# Altium PCB clean_unrouted.PcbDoc (continued)
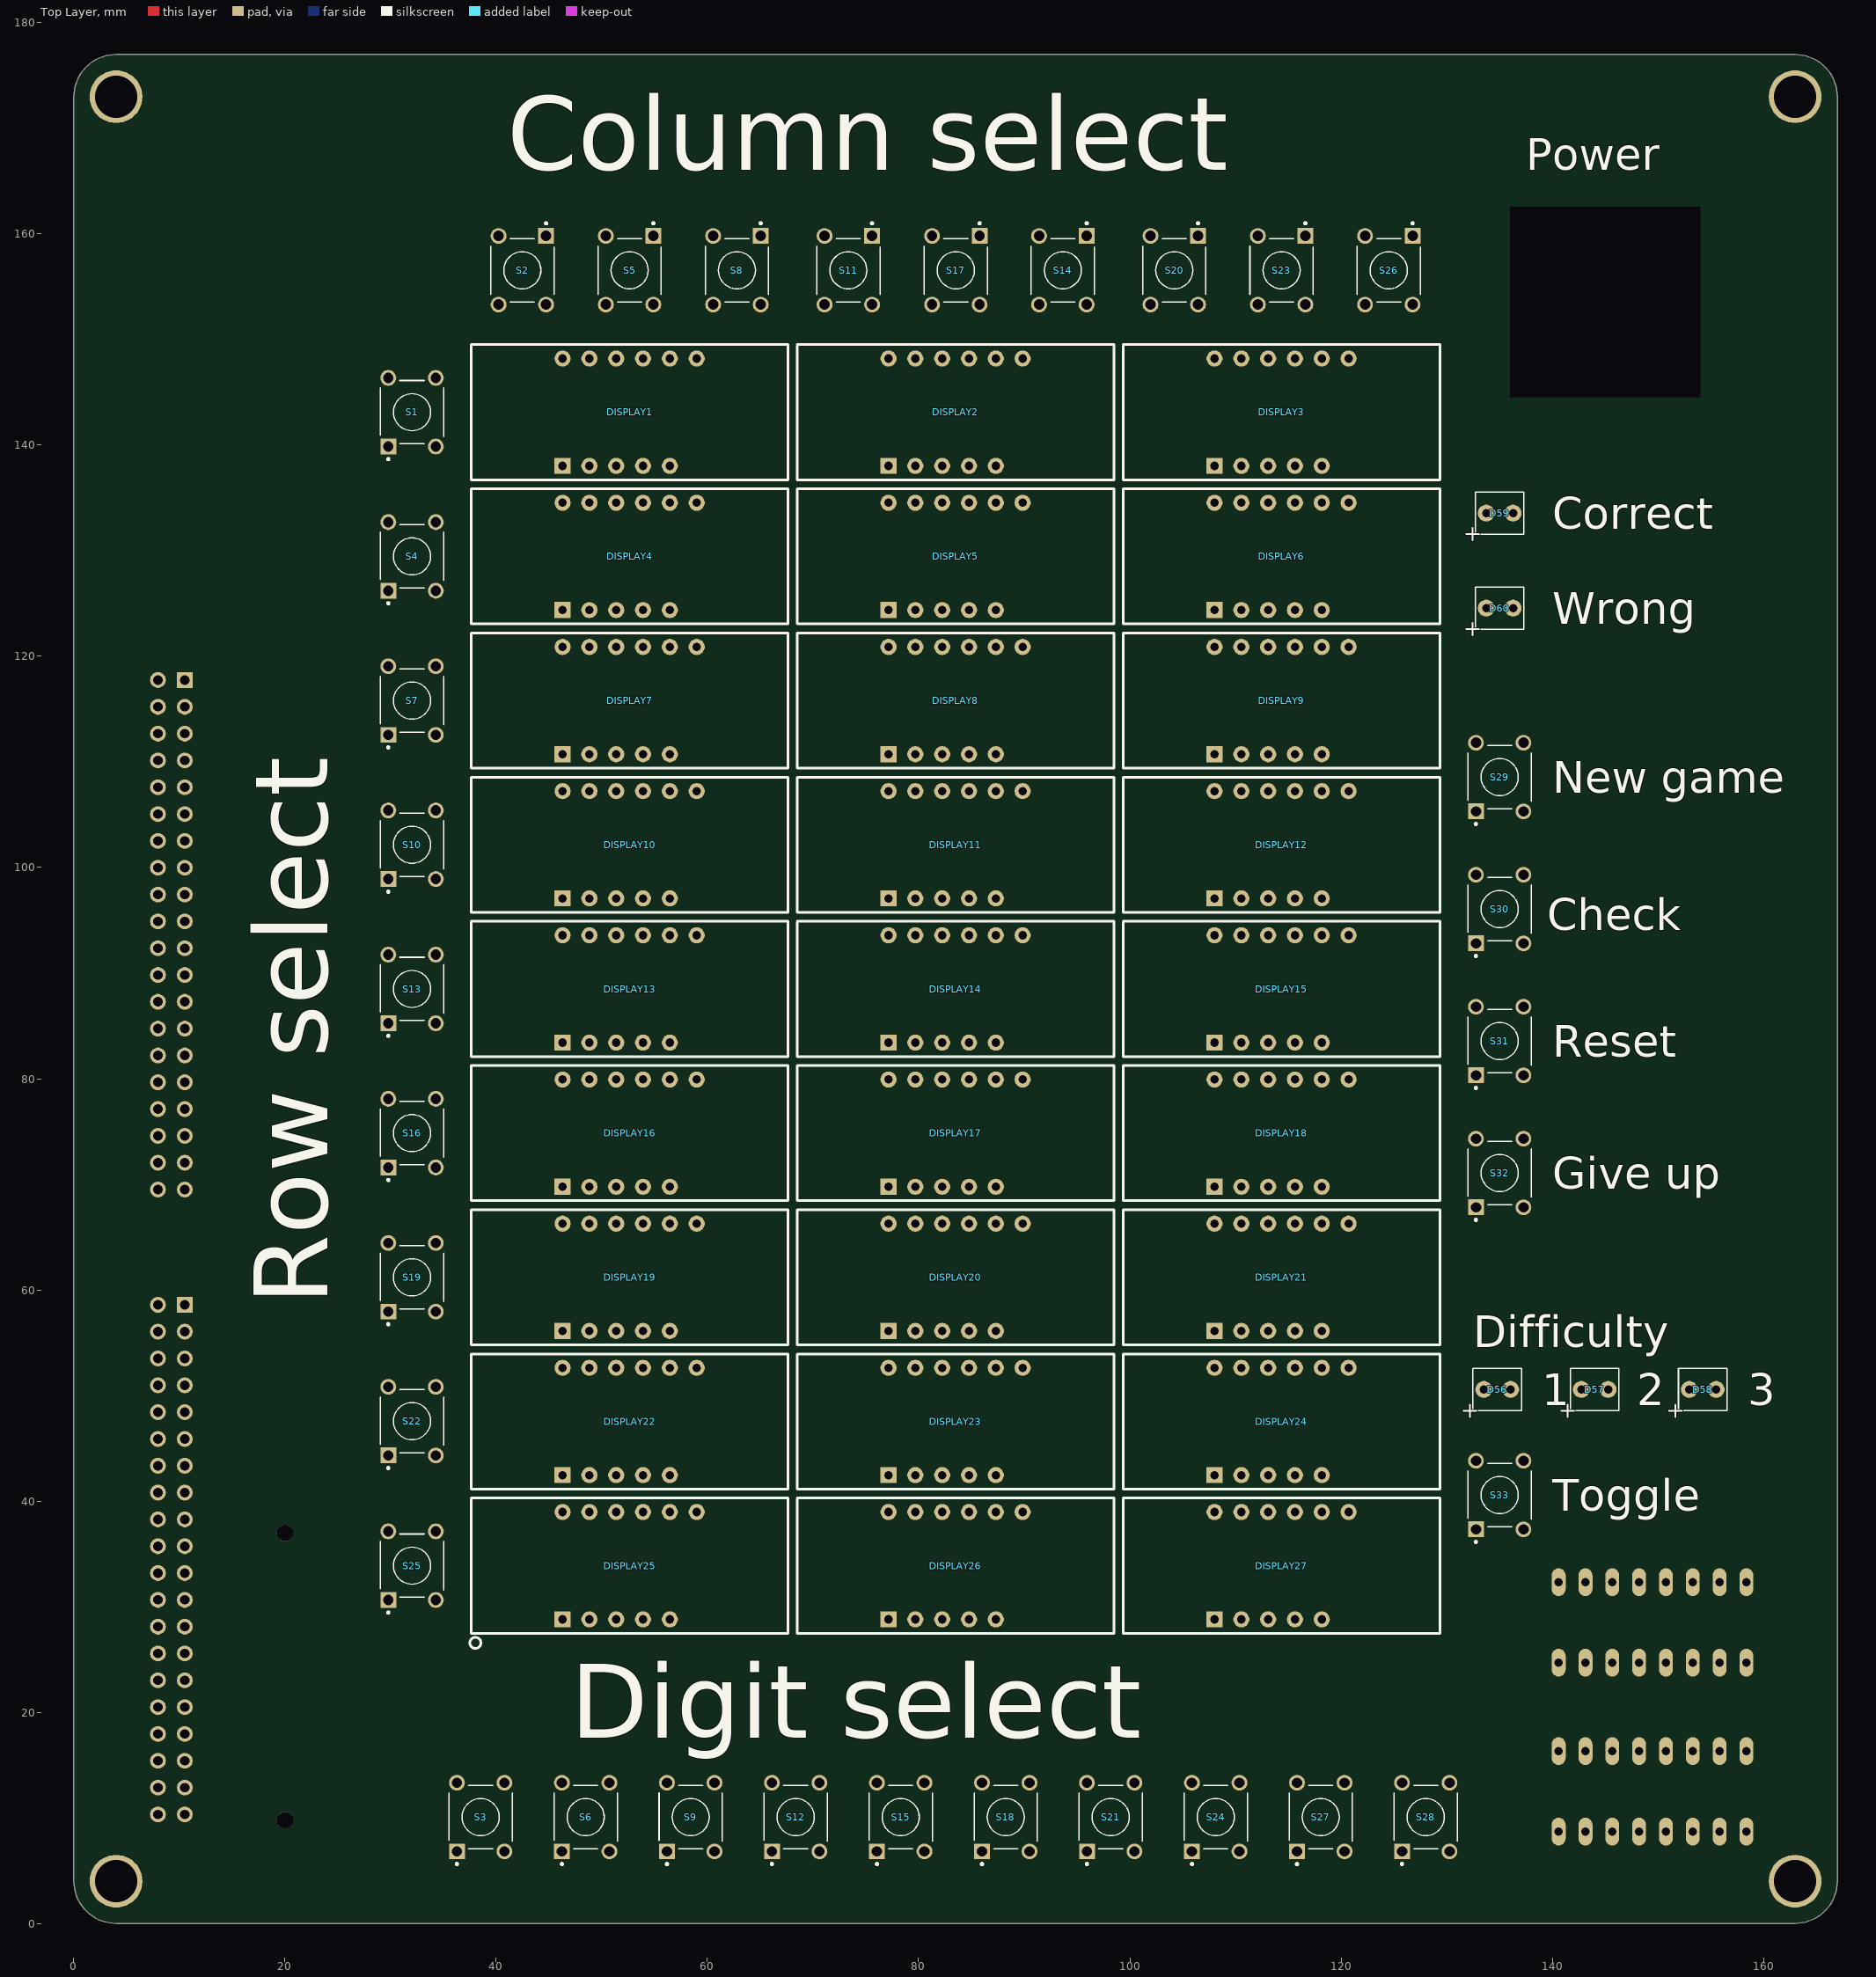
[diagram p0: Top Layer view]
## Components (designator, comment, footprint, x,y, rotation, side; value= is the part's Value field where it differs from the comment) (continued)
DISPLAY20 "3DIGITREDCC" PCBCOMPONENT_1 83.5,61.189 r0 top locked
DISPLAY21 "3DIGITREDCC" PCBCOMPONENT_1 114.37,61.189 r0 top locked
DISPLAY22 "3DIGITREDCC" PCBCOMPONENT_1 52.63,47.533 r0 top locked
DISPLAY23 "3DIGITREDCC" PCBCOMPONENT_1 83.5,47.533 r0 top locked
DISPLAY24 "3DIGITREDCC" PCBCOMPONENT_1 114.37,47.533 r0 top locked
DISPLAY25 "3DIGITREDCC" PCBCOMPONENT_1 52.63,33.877 r0 top locked
DISPLAY26 "3DIGITREDCC" PCBCOMPONENT_1 83.5,33.877 r0 top locked
DISPLAY27 "3DIGITREDCC" PCBCOMPONENT_1 114.37,33.877 r0 top locked
J1 "Header 20X2 J5" 2x20 10.5,58.58 r270 bottom locked
J2 "Header 20X2 J4" 2x20 10.5,117.76 r270 bottom locked
J3 "MEC6-140-02-L-D-RA1-TR" SAMTEC_MEC6-140-02-L-D-RA1-TR 20,23.383 r270 bottom locked
R1 "Res1" SMD-0805-RES 144.42,93.594 r180 bottom locked value=220
R2 "Res1" SMD-0805-RES 144.42,88.141 r180 bottom locked value=220
R3 "Res1" SMD-0805-RES 157.98,82.688 r180 bottom locked value=220
R4 "Res1" SMD-0805-RES 139.9,93.594 r180 bottom locked value=220
R5 "Res1" SMD-0805-RES 157.98,77.235 r180 bottom locked value=220
R6 "Res1" SMD-0805-RES 139.9,88.141 r180 bottom locked value=220
R7 "Res1" SMD-0805-RES 157.98,71.781 r180 bottom locked value=220
R8 "Res1" SMD-0805-RES 153.46,82.688 r180 bottom locked value=220
R9 "Res1" SMD-0805-RES 144.42,82.688 r180 bottom locked value=220
R10 "Res1" SMD-0805-RES 153.46,77.235 r180 bottom locked value=220
R11 "Res1" SMD-0805-RES 144.42,77.235 r180 bottom locked value=220
R12 "Res1" SMD-0805-RES 153.46,71.781 r180 bottom locked value=220
R13 "Res1" SMD-0805-RES 144.42,71.781 r180 bottom locked value=220
R14 "Res1" SMD-0805-RES 139.9,82.688 r180 bottom locked value=220
R15 "Res1" SMD-0805-RES 139.9,77.235 r180 bottom locked value=220
R16 "Res1" SMD-0805-RES 148.94,93.594 r180 bottom locked value=220
R17 "Res1" SMD-0805-RES 139.9,71.781 r180 bottom locked value=220
R18 "Res1" SMD-0805-RES 148.94,88.141 r180 bottom locked value=220
R19 "Res1" SMD-0805-RES 162.5,82.688 r180 bottom locked value=220
R20 "Res1" SMD-0805-RES 162.5,77.235 r180 bottom locked value=220
R21 "Res1" SMD-0805-RES 162.5,71.781 r180 bottom locked value=220
R22 "Res1" SMD-0805-RES 148.94,82.688 r180 bottom locked value=220
R23 "Res1" SMD-0805-RES 148.94,77.235 r180 bottom locked value=220
R24 "Res1" SMD-0805-RES 148.94,71.781 r180 bottom locked value=220
R25 "Res1" SMD-0805-RES 153.46,104.5 r180 bottom locked value=220
R26 "Res1" SMD-0805-RES 139.9,115.406 r180 bottom locked value=220
R27 "Res1" SMD-0805-RES 139.9,109.953 r180 bottom locked value=220
R28 "Res1" SMD-0805-RES 139.9,104.5 r180 bottom locked value=220
R29 "Res1" SMD-0805-RES 153.46,99.047 r180 bottom locked value=220
R30 "Res1" SMD-0805-RES 153.46,109.953 r180 bottom locked value=220
R31 "Res1" SMD-0805-RES 153.46,93.594 r180 bottom locked value=220
R32 "Res1" SMD-0805-RES 153.46,115.406 r180 bottom locked value=220
R33 "Res1" SMD-0805-RES 153.46,88.141 r180 bottom locked value=220
R34 "Res1" SMD-0805-RES 139.9,120.859 r180 bottom locked value=220
R35 "Res1" SMD-0805-RES 139.9,99.047 r180 bottom locked value=220
R36 "Res1" SMD-0805-RES 139.9,126.312 r180 bottom locked value=220
R37 "Res1" SMD-0805-RES 139.9,131.765 r180 bottom locked value=220
R38 "Res1" SMD-0805-RES 157.98,104.5 r180 bottom locked value=220
R39 "Res1" SMD-0805-RES 153.46,120.859 r180 bottom locked value=220
R40 "Res1" SMD-0805-RES 144.42,115.406 r180 bottom locked value=220
R41 "Res1" SMD-0805-RES 153.46,126.312 r180 bottom locked value=220
R42 "Res1" SMD-0805-RES 144.42,109.953 r180 bottom locked value=220
R43 "Res1" SMD-0805-RES 153.46,131.765 r180 bottom locked value=220
R44 "Res1" SMD-0805-RES 144.42,104.5 r180 bottom locked value=220
R45 "Res1" SMD-0805-RES 157.98,99.047 r180 bottom locked value=220
R46 "Res1" SMD-0805-RES 157.98,131.765 r180 bottom locked value=220
R47 "Res1" SMD-0805-RES 157.98,93.594 r180 bottom locked value=220
R48 "Res1" SMD-0805-RES 157.98,126.312 r180 bottom locked value=220
R49 "Res1" SMD-0805-RES 157.98,88.141 r180 bottom locked value=220
R50 "Res1" SMD-0805-RES 157.98,120.859 r180 bottom locked value=220
R51 "Res1" SMD-0805-RES 144.42,99.047 r180 bottom locked value=220
R52 "Res1" SMD-0805-RES 144.42,131.765 r180 bottom locked value=220
R53 "Res1" SMD-0805-RES 144.42,126.312 r180 bottom locked value=220
R54 "Res1" SMD-0805-RES 162.5,104.5 r180 bottom locked value=220
R55 "Res1" SMD-0805-RES 144.42,120.859 r180 bottom locked value=220
R56 "Res1" SMD-0805-RES 148.94,115.406 r180 bottom locked value=220
R57 "Res1" SMD-0805-RES 157.98,115.406 r180 bottom locked value=220
R58 "Res1" SMD-0805-RES 148.94,109.953 r180 bottom locked value=220
R59 "Res1" SMD-0805-RES 157.98,109.953 r180 bottom locked value=220
R60 "Res1" SMD-0805-RES 148.94,104.5 r180 bottom locked value=220
R61 "Res1" SMD-0805-RES 162.5,99.047 r180 bottom locked value=220
R62 "Res1" SMD-0805-RES 162.5,131.765 r180 bottom locked value=220
R63 "Res1" SMD-0805-RES 162.5,93.594 r180 bottom locked value=220
R64 "Res1" SMD-0805-RES 162.5,126.312 r180 bottom locked value=220
R65 "Res1" SMD-0805-RES 162.5,88.141 r180 bottom locked value=220
R66 "Res1" SMD-0805-RES 162.5,120.859 r180 bottom locked value=220
R67 "Res1" SMD-0805-RES 148.94,99.047 r180 bottom locked value=220
R68 "Res1" SMD-0805-RES 148.94,131.765 r180 bottom locked value=220
R69 "Res1" SMD-0805-RES 148.94,126.312 r180 bottom locked value=220
R70 "Res1" SMD-0805-RES 148.94,120.859 r180 bottom locked value=220
R71 "Res1" SMD-0805-RES 162.5,115.406 r180 bottom locked value=220
R72 "Res1" SMD-0805-RES 162.5,109.953 r180 bottom locked value=220
R73 "Res1" SMD-0805-RES 133.599,62 r0 bottom locked value=220
R74 "Res1" SMD-0805-RES 138.349,62 r0 bottom locked value=220
R75 "Res1" SMD-0805-RES 143.1,62 r0 bottom locked value=220
R76 "Res1" SMD-0805-RES 147.85,62 r0 bottom locked value=220
R77 "Res1" SMD-0805-RES 152.6,62 r0 bottom locked value=220
S1 "ROW0" SW_1825910-6-4 32.025,143.123 r90 top locked
S2 "COL0" SW_1825910-6-4 42.47,156.567 r270 top locked
S3 "DIG0" SW_1825910-6-4 38.525,10.067 r90 top locked
S4 "ROW1" SW_1825910-6-4 32.025,129.467 r90 top locked
S5 "COL1" SW_1825910-6-4 52.63,156.567 r270 top locked
S6 "DIG1" SW_1825910-6-4 48.469,10.067 r90 top locked
S7 "ROW2" SW_1825910-6-4 32.025,115.811 r90 top locked
S8 "COL2" SW_1825910-6-4 62.79,156.567 r270 top locked
S9 "DIG2" SW_1825910-6-4 58.414,10.067 r90 top locked
S10 "ROW3" SW_1825910-6-4 32.025,102.156 r90 top locked
S11 "COL3" SW_1825910-6-4 73.34,156.567 r270 top locked
S12 "DIG3" SW_1825910-6-4 68.358,10.067 r90 top locked
S13 "ROW4" SW_1825910-6-4 32.025,88.5 r90 top locked
S14 "COL4" SW_1825910-6-4 93.66,156.567 r270 top locked
S15 "DIG4" SW_1825910-6-4 78.303,10.067 r90 top locked
S16 "ROW5" SW_1825910-6-4 32.025,74.844 r90 top locked
S17 "COL5" SW_1825910-6-4 83.525,156.567 r270 top locked
S18 "DIG5" SW_1825910-6-4 88.247,10.067 r90 top locked
S19 "ROW6" SW_1825910-6-4 32.025,61.189 r90 top locked
S20 "COL6" SW_1825910-6-4 104.21,156.567 r270 top locked
S21 "DIG6" SW_1825910-6-4 98.192,10.067 r90 top locked
S22 "ROW7" SW_1825910-6-4 32.025,47.567 r90 top locked
S23 "COL7" SW_1825910-6-4 114.37,156.567 r270 top locked
S24 "DIG7" SW_1825910-6-4 108.136,10.067 r90 top locked
S25 "ROW8" SW_1825910-6-4 32.025,33.877 r90 top locked
S26 "COL8" SW_1825910-6-4 124.525,156.567 r270 top locked
S27 "DIG8" SW_1825910-6-4 118.08,10.067 r90 top locked
S28 "DIG9" SW_1825910-6-4 128.025,10.067 r90 top locked
S29 "NEWGAME" SW_1825910-6-4 135.025,108.567 r90 top locked
S30 "CHECKANS" SW_1825910-6-4 135.025,96.067 r90 top locked
S31 "RSTGAME" SW_1825910-6-4 135.025,83.567 r90 top locked
S32 "GIVEUP" SW_1825910-6-4 135.025,71.067 r90 top locked
S33 "DIFFSET" SW_1825910-6-4 135.025,40.567 r90 top locked
U1 "ULN2003A" DIL16 149.5,12.5 r180 bottom locked
U2 "ULN2003A" DIL16 149.5,28.5 r180 bottom locked

## Footprints (in the part's own frame and the unit in brackets; to place one, negate y for a bottom-side part, rotate by r counter-clockwise, add the part's x,y. Pads: shape width x height; smd on the part's side, far side on the other; paste and mask are expansions set on the pad)
2x20 [mm] "Connector; Header; 20x2 Position"
  rect 1.5x1.5 hole 0.9: 1(0,0)
  round 1.5 hole 0.9: 2(0,2.54) 3(2.54,0) 4(2.54,2.54) 5(5.08,0) 6(5.08,2.54) 7(7.62,0) 8(7.62,2.54) 9(10.16,0) 10(10.16,2.54) 11(12.7,0) 12(12.7,2.54) 13(15.24,0) 14(15.24,2.54) 15(17.78,0) 16(17.78,2.54) 17(20.32,0) 18(20.32,2.54) 19(22.86,0) 20(22.86,2.54) 21(25.4,0) 22(25.4,2.54) 23(27.94,0) 24(27.94,2.54) 25(30.48,0) 26(30.48,2.54) 27(33.02,0) 28(33.02,2.54) 29(35.56,0) 30(35.56,2.54) 31(38.1,0) 32(38.1,2.54) 33(40.64,0) 34(40.64,2.54) 35(43.18,0) 36(43.18,2.54) 37(45.72,0) 38(45.72,2.54) 39(48.26,0) 40(48.26,2.54)
  silkscreen extent -1.27,-1.27 49.53,3.81, body extent -1.4,-1.23 49.7,3.77, height 8.5
DIL16 [mil]
  oval 52x104 hole 32: 1(-350,-150) 2(-250,-150) 3(-150,-150) 4(-50,-150) 5(50,-150) 6(150,-150) 7(250,-150) 8(350,-150) 9(350,150) 10(250,150) 11(150,150) 12(50,150) 13(-50,150) 14(-150,150) 15(-250,150) 16(-350,150)
  silkscreen extent -400,-115 400,115, body extent -400,-209 403,204, height 317
DIODE_SMC [mm] "Diode; 2 Leads"
  rect 1.4x1.57 smd: 1(1.6,-0.2) 2(-2.2,-0.2)
  silkscreen extent -3.4,-1.6 2.8,1.2, body extent -2.95,-1.75 2.35,1.36, height 2.4
green [mm] "LED; 2 Leads"
  round 1.6 hole 0.8: 1(0,1.27) 2(0,-1.27)
  silkscreen extent -2,-2.3 2,2.3, body extent -1.49,-1.95 2,2.03, height 5.38
PCBCOMPONENT_1 [mil]
  rect 60x60 hole 31.5: 1(-250.03,-200)
  round 60 hole 31.5: 2(-150.03,-200) 3(-50.03,-200) 4(49.97,-200) 5(149.97,-200) 7(249.97,200) 8(149.97,200) 9(49.97,200) 10(-50.03,200) 11(-150.03,200) 12(-250.03,200)
  silkscreen extent -591,-252 591,252, body extent -591,-252 591,252, height 276
RED [mm] "LED; 2 Leads"
  round 1.6 hole 0.8: 1(0,1.27) 2(0,-1.27)
  silkscreen extent -2,-2.3 2,2.3, body extent -1.49,-1.95 2,2.03, height 5.38
SAMTEC_MEC6-140-02-L-D-RA1-TR [mm]
  rect 0.4x2 smd: 01(-12.382,-4) 02(-12.382,4) 03(-11.747,-4) 04(-11.747,4) 05(-11.112,-4) 06(-11.112,4) 07(-10.477,-4) 08(-10.477,4) 09(-9.842,-4) 10(-9.842,4) 11(-9.207,-4) 12(-9.207,4) 13(-8.572,-4) 14(-8.572,4) 15(-7.937,-4) 16(-7.937,4) 17(-7.302,-4) 18(-7.302,4) 19(-6.667,-4) 20(-6.667,4) 21(-6.032,-4) 22(-6.032,4) 23(-5.397,-4) 24(-5.397,4) 25(-4.762,-4) 26(-4.762,4) 27(-4.127,-4) 28(-4.127,4) 29(-3.492,-4) 30(-3.492,4) 31(-2.857,-4) 32(-2.857,4) 33(-2.223,-4) 34(-2.222,4) 35(-1.588,-4) 36(-1.587,4) 37(-0.953,-4) 38(-0.952,4) 39(-0.318,-4) 40(-0.317,4) 41(0.317,-4) 42(0.318,4) 43(0.952,-4) 44(0.953,4) 45(1.587,-4) 46(1.588,4) 47(2.222,-4) 48(2.223,4) 49(2.857,-4) 50(2.858,4) 51(3.492,-4) 52(3.493,4) 53(4.127,-4) 54(4.128,4) 55(4.762,-4) 56(4.763,4) 57(5.397,-4) 58(5.398,4) 59(6.032,-4) 60(6.033,4) 61(6.667,-4) 62(6.668,4) 63(7.302,-4) 64(7.303,4) 65(7.937,-4) 66(7.938,4) 67(8.572,-4) 68(8.573,4) 69(9.207,-4) 70(9.208,4) 71(9.842,-4) 72(9.843,4) 73(10.477,-4) 74(10.478,4) 75(11.112,-4) 76(11.113,4) 77(11.747,-4) 78(11.748,4) 79(12.383,-4) 80(12.383,4)
  round 1.55 hole 1.55 unplated: ""(-13.593,0) ""(13.593,0)
  silkscreen extent -14.29,-5.7 14.29,3.7, body extent -14.21,-4.53 14.35,4.57, height 5.75
SMD-0805-RES [mil]
  rect 60x40 smd: 1(0,40) 2(0,-40)
  silkscreen extent -35,-65 35,65, body extent -24,-39 26,39, height 31
SW_1825910-6-4 [mm]
  rect 1.498x1.498 hole 0.99: 1(-3.25,2.25)
  round 1.498 hole 0.99: 2(3.25,2.25) 3(-3.25,-2.25) 4(3.25,-2.25)
  silkscreen extent -4.54,-3 3,3, body extent -3.84,-3 3.84,3, height 9.5

## Part data
D1 D2 D3 D4 D5 D6 D7 D8 D9 D10 D11 D12 D13 D14 D15 D16 D17 D18 D19 D20 D21 D22 D23 D24 D25 D26 D27 D28 D29 D30 D31 D32 D33 D34 D35 D36 D37 D38 D39 D40 D41 D42 D43 D44 D45 D46 D47 D48 D49 D50 D51 D52 D53 D54 D55: "1 Amp General Purpose Rectifier", Code_JEDEC=DO-204-AL, ComponentLink1Description="Manufacturer Link", ComponentLink1URL=http://www.fairchildsemi.com/, ComponentLink2Description=Datasheet, ComponentLink2URL=http://www.fairchildsemi.com/ds/1N%2F1N4001.pdf, DatasheetVersion=1998, LatestRevisionDate=17-Jul-2002, LatestRevisionNote="Re-released for DXP Platform.", PackageDescription="Diode, Axial; Body 5.2 x 2.7 mm (LxDia. max), Lead Dia. 0.86 mm (max)", PackageReference=DO-41, PackageVersion=Aug-1999, Published=8-Jun-2000, Publisher="Altium Limited"
D56 D57 D58 D59 D60: "Typical RED GaAs LED", LatestRevisionDate=08-Jul-2005, LatestRevisionNote="Mech Layer 1 removed.", PackageDescription="LED; 2 Leads", PackageReference=LED-1, Published=8-Jun-2000, Publisher="Altium Limited"
DISPLAY1 DISPLAY2 DISPLAY3 DISPLAY4 DISPLAY5 DISPLAY6 DISPLAY7 DISPLAY8 DISPLAY9 DISPLAY10 DISPLAY11 DISPLAY12 DISPLAY13 DISPLAY14 DISPLAY15 DISPLAY16 DISPLAY17 DISPLAY18 DISPLAY19 DISPLAY20 DISPLAY21 DISPLAY22 DISPLAY23 DISPLAY24 DISPLAY25 DISPLAY26 DISPLAY27: "7.62 mm Black Surface HER 7-Segment Display: CC, RH DP", Colour="High Efficiency Red (HER)", ComponentLink1Description="Manufacturer Link", ComponentLink1URL=http://www.agilent.com/, DatasheetVersion=19-Feb-2002, LatestRevisionDate=17-Dec-2003, LatestRevisionNote="Schematic revised, PCB Footprint replaced.", MinimumIntensity="360 ucd", Note="Pins 1 and 6 are redundant Cathodes.", PackageDescription="LED, 7-Segment Display, 7.62 mm, RHD; 10 Leads; Row Space 5.08 mm; Pitch 2.54 mm", PackageReference=A, PackageVersion=11-Feb-2002, Published=8-Jun-2000, Publisher="Altium Limited"
J1 J2: "Header, 20-Pin, Dual row", LatestRevisionDate=17-Jul-2002, LatestRevisionNote="Re-released for DXP Platform.", Publisher="Altium Limited"
J3: Package=None, Availability=Unavailable, MF=Samtec, MP=MEC6-140-02-L-D-RA1-TR, Price=None
R1 R2 R3 R4 R5 R6 R7 R8 R9 R10 R11 R12 R13 R14 R15 R16 R17 R18 R19 R20 R21 R22 R23 R24 R25 R26 R27 R28 R29 R30 R31 R32 R33 R34 R35 R36 R37 R38 R39 R40 R41 R42 R43 R44 R45 R46 R47 R48 R49 R50 R51 R52 R53 R54 R55 R56 R57 R58 R59 R60 R61 R62 R63 R64 R65 R66 R67 R68 R69 R70 R71 R72 R73 R74 R75 R76 R77: "Resistor", LatestRevisionDate=17-Jul-2002, LatestRevisionNote="Re-released for DXP Platform.", PackageDescription="Axial Device, Thru-Hole; 2 Leads; 0.3 in Pin Spacing", PackageReference=AXIAL-0.3, Published=8-Jun-2000, Publisher="Altium Limited"
S1 S2 S3 S4 S5 S6 S7 S8 S9 S10 S11 S12 S13 S14 S15 S16 S17 S18 S19 S20 S21 S22 S23 S24 S25 S26 S27 S28 S29 S30 S31 S32 S33: library part SW-PB, "Switch", LatestRevisionDate=17-Jul-2002, LatestRevisionNote="Re-released for DXP Platform.", PackageDescription="Switch; 2 Leads", PackageReference=SPST-2, Published=24-Mar-1999, Publisher="Altium Limited"

## Free pads (board coordinates)
  round 5 hole 4: 21(163,4) 22(163,173) 23(4,173) 24(4,4)
  rect 12x18 hole 18 square: ROCKER(145.025,153.567)

## Nets (pads, with @x,y where several pads share a name; then routed paths per layer and width w, separated by ;. In a path a pad name is that pad's centre, name@x,y a point inside that pad or via, vN(x,y) a via of type N, cw(c..) or ccw(c..) an arc to the next point about the centre after c; other vN are vias at no path point)
/LEDCOL0: DISPLAY1.12 DISPLAY4.12 DISPLAY7.12 DISPLAY10.12 DISPLAY13.12 DISPLAY16.12 DISPLAY19.12 DISPLAY22.12 DISPLAY25.12 U1.16
/LEDCOL1: DISPLAY1.9 DISPLAY4.9 DISPLAY7.9 DISPLAY10.9 DISPLAY13.9 DISPLAY16.9 DISPLAY19.9 DISPLAY22.9 DISPLAY25.9 U1.15
/LEDCOL2: DISPLAY1.8 DISPLAY4.8 DISPLAY7.8 DISPLAY10.8 DISPLAY13.8 DISPLAY16.8 DISPLAY19.8 DISPLAY22.8 DISPLAY25.8 U1.14
/LEDCOL3: DISPLAY2.12 DISPLAY5.12 DISPLAY8.12 DISPLAY11.12 DISPLAY14.12 DISPLAY17.12 DISPLAY20.12 DISPLAY23.12 DISPLAY26.12 U1.13
/LEDCOL4: DISPLAY2.9 DISPLAY5.9 DISPLAY8.9 DISPLAY11.9 DISPLAY14.9 DISPLAY17.9 DISPLAY20.9 DISPLAY23.9 DISPLAY26.9 U1.12
/LEDCOL5: DISPLAY2.8 DISPLAY5.8 DISPLAY8.8 DISPLAY11.8 DISPLAY14.8 DISPLAY17.8 DISPLAY20.8 DISPLAY23.8 DISPLAY26.8 U1.11
/LEDCOL6: DISPLAY3.12 DISPLAY6.12 DISPLAY9.12 DISPLAY12.12 DISPLAY15.12 DISPLAY18.12 DISPLAY21.12 DISPLAY24.12 DISPLAY27.12 U1.10
/LEDCOL7: DISPLAY3.9 DISPLAY6.9 DISPLAY9.9 DISPLAY12.9 DISPLAY15.9 DISPLAY18.9 DISPLAY21.9 DISPLAY24.9 DISPLAY27.9 U2.16
/LEDCOL8: DISPLAY3.8 DISPLAY6.8 DISPLAY9.8 DISPLAY12.8 DISPLAY15.8 DISPLAY18.8 DISPLAY21.8 DISPLAY24.8 DISPLAY27.8 U2.15
CHECKANS: J1.33 S30.1
COLON: D2.1 D8.1 D14.1 D20.1 D26.1 D32.1 D38.1 D44.1 D50.1 J1.25
CORRECT: D59.1 J1.28
DIFFEASY: D56.1 J1.22
DIFFHARD: D58.1 J1.26
DIFFMED: D57.1 J1.24
DIFFSET: J1.39 S33.1
GIVEUP: J1.37 S32.1
GND: J1.12 J1.30 J2.7 J2.8 J2.9 J2.10 J2.17 J2.18 J2.25 J2.26 J2.33 J2.34 J3.10 J3.21 J3.22 J3.32 J3.33 J3.44 J3.53 J3.54 J3.76 pad.21 pad.22 pad.23 pad.24 R73.2 R74.2 R75.2 R76.2 R77.2 S1.3 S4.3 S7.3 S10.3 S13.3 S16.3 S19.3 S22.3 S25.3 S29.3 S30.3 S31.3 S32.3 S33.3 U1.8 U2.8
KEY0: D4.1 D5.1 D6.1 J1.1
KEY1: D10.1 D11.1 D12.1 J1.3
KEY2: D16.1 D17.1 D18.1 J1.5
KEY3: D22.1 D23.1 D24.1 J1.7
KEY4: D28.1 D29.1 D30.1 J1.9
KEY5: D34.1 D35.1 D36.1 J1.13
KEY6: D40.1 D41.1 D42.1 J1.15
KEY7: D46.1 D47.1 D48.1 J1.17
KEY8: D52.1 D53.1 D54.1 J1.19
KEY9: D3.1 D9.1 D15.1 D21.1 D27.1 D33.1 D39.1 D45.1 D51.1 D55.1 D55.2 J1.21 J1.27 S28.1
LEDAROW0: DISPLAY1.11 DISPLAY2.11 DISPLAY3.11 R30.1
LEDAROW1: DISPLAY4.11 DISPLAY5.11 DISPLAY6.11 R46.1
LEDAROW2: DISPLAY7.11 DISPLAY8.11 DISPLAY9.11 R62.1
LEDAROW3: DISPLAY10.11 DISPLAY11.11 DISPLAY12.11 R25.2
LEDAROW4: DISPLAY13.11 DISPLAY14.11 DISPLAY15.11 R38.2
LEDAROW5: DISPLAY16.11 DISPLAY17.11 DISPLAY18.11 R54.2
LEDAROW6: DISPLAY19.11 DISPLAY20.11 DISPLAY21.11 R4.1
LEDAROW7: DISPLAY22.11 DISPLAY23.11 DISPLAY24.11 R1.2
LEDAROW8: DISPLAY25.11 DISPLAY26.11 DISPLAY27.11 R16.2
LEDBROW0: DISPLAY1.7 DISPLAY2.7 DISPLAY3.7 R32.1
LEDBROW1: DISPLAY4.7 DISPLAY5.7 DISPLAY6.7 R48.1
LEDBROW2: DISPLAY7.7 DISPLAY8.7 DISPLAY9.7 R64.1
LEDBROW3: DISPLAY10.7 DISPLAY11.7 DISPLAY12.7 R26.2
LEDBROW4: DISPLAY13.7 DISPLAY14.7 DISPLAY15.7 R40.2
LEDBROW5: DISPLAY16.7 DISPLAY17.7 DISPLAY18.7 R56.2
LEDBROW6: DISPLAY19.7 DISPLAY20.7 DISPLAY21.7 R6.1
LEDBROW7: DISPLAY22.7 DISPLAY23.7 DISPLAY24.7 R2.2
LEDBROW8: DISPLAY25.7 DISPLAY26.7 DISPLAY27.7 R18.2
LEDCOL0: J1.2 U1.1
LEDCOL1: J1.4 U1.2
LEDCOL2: J1.6 U1.3
LEDCOL3: J1.8 U1.4
LEDCOL4: J1.10 U1.5
LEDCOL5: J1.14 U1.6
LEDCOL6: J1.16 U1.7
LEDCOL7: J1.18 U2.1
LEDCOL8: J1.20 U2.2
LEDCROW0: DISPLAY1.4 DISPLAY2.4 DISPLAY3.4 R34.1
LEDCROW1: DISPLAY4.4 DISPLAY5.4 DISPLAY6.4 R50.1
LEDCROW2: DISPLAY7.4 DISPLAY8.4 DISPLAY9.4 R66.1
LEDCROW3: DISPLAY10.4 DISPLAY11.4 DISPLAY12.4 R27.2
LEDCROW4: DISPLAY13.4 DISPLAY14.4 DISPLAY15.4 R42.2
LEDCROW5: DISPLAY16.4 DISPLAY17.4 DISPLAY18.4 R58.2
LEDCROW6: DISPLAY19.4 DISPLAY20.4 DISPLAY21.4 R8.1
LEDCROW7: DISPLAY22.4 DISPLAY23.4 DISPLAY24.4 R3.2
LEDCROW8: DISPLAY25.4 DISPLAY26.4 DISPLAY27.4 R19.2
LEDDPROW0: DISPLAY1.3 DISPLAY2.3 DISPLAY3.3 R43.1
LEDDPROW1: DISPLAY4.3 DISPLAY5.3 DISPLAY6.3 R59.1
LEDDPROW2: DISPLAY7.3 DISPLAY8.3 DISPLAY9.3 R72.1
LEDDPROW3: DISPLAY10.3 DISPLAY11.3 DISPLAY12.3 R35.2
LEDDPROW4: DISPLAY13.3 DISPLAY14.3 DISPLAY15.3 R51.2
LEDDPROW5: DISPLAY16.3 DISPLAY17.3 DISPLAY18.3 R67.2
LEDDPROW6: DISPLAY19.3 DISPLAY20.3 DISPLAY21.3 R17.1
LEDDPROW7: DISPLAY22.3 DISPLAY23.3 DISPLAY24.3 R13.2
LEDDPROW8: DISPLAY25.3 DISPLAY26.3 DISPLAY27.3 R24.2
LEDDROW0: DISPLAY1.2 DISPLAY2.2 DISPLAY3.2 R36.1
LEDDROW1: DISPLAY4.2 DISPLAY5.2 DISPLAY6.2 R52.1
LEDDROW2: DISPLAY7.2 DISPLAY8.2 DISPLAY9.2 R68.1
LEDDROW3: DISPLAY10.2 DISPLAY11.2 DISPLAY12.2 R28.2
LEDDROW4: DISPLAY13.2 DISPLAY14.2 DISPLAY15.2 R44.2
LEDDROW5: DISPLAY16.2 DISPLAY17.2 DISPLAY18.2 R60.2
LEDDROW6: DISPLAY19.2 DISPLAY20.2 DISPLAY21.2 R10.1
LEDDROW7: DISPLAY22.2 DISPLAY23.2 DISPLAY24.2 R5.2
LEDDROW8: DISPLAY25.2 DISPLAY26.2 DISPLAY27.2 R20.2
LEDEROW0: DISPLAY1.1 DISPLAY2.1 DISPLAY3.1 R37.1
LEDEROW1: DISPLAY4.1 DISPLAY5.1 DISPLAY6.1 R53.1
LEDEROW2: DISPLAY7.1 DISPLAY8.1 DISPLAY9.1 R69.1
LEDEROW3: DISPLAY10.1 DISPLAY11.1 DISPLAY12.1 R29.2
LEDEROW4: DISPLAY13.1 DISPLAY14.1 DISPLAY15.1 R45.2
LEDEROW5: DISPLAY16.1 DISPLAY17.1 DISPLAY18.1 R61.2
LEDEROW6: DISPLAY19.1 DISPLAY20.1 DISPLAY21.1 R12.1
LEDEROW7: DISPLAY22.1 DISPLAY23.1 DISPLAY24.1 R7.2
LEDEROW8: DISPLAY25.1 DISPLAY26.1 DISPLAY27.1 R21.2
LEDFROW0: DISPLAY1.10 DISPLAY2.10 DISPLAY3.10 R39.1
LEDFROW1: DISPLAY4.10 DISPLAY5.10 DISPLAY6.10 R55.1
LEDFROW2: DISPLAY7.10 DISPLAY8.10 DISPLAY9.10 R70.1
LEDFROW3: DISPLAY10.10 DISPLAY11.10 DISPLAY12.10 R31.2
LEDFROW4: DISPLAY13.10 DISPLAY14.10 DISPLAY15.10 R47.2
LEDFROW5: DISPLAY16.10 DISPLAY17.10 DISPLAY18.10 R63.2
LEDFROW6: DISPLAY19.10 DISPLAY20.10 DISPLAY21.10 R14.1
LEDFROW7: DISPLAY22.10 DISPLAY23.10 DISPLAY24.10 R9.2
LEDFROW8: DISPLAY25.10 DISPLAY26.10 DISPLAY27.10 R22.2
LEDGROW0: DISPLAY1.5 DISPLAY2.5 DISPLAY3.5 R41.1
LEDGROW1: DISPLAY4.5 DISPLAY5.5 DISPLAY6.5 R57.1
LEDGROW2: DISPLAY7.5 DISPLAY8.5 DISPLAY9.5 R71.1
LEDGROW3: DISPLAY10.5 DISPLAY11.5 DISPLAY12.5 R33.2
LEDGROW4: DISPLAY13.5 DISPLAY14.5 DISPLAY15.5 R49.2
LEDGROW5: DISPLAY16.5 DISPLAY17.5 DISPLAY18.5 R65.2
LEDGROW6: DISPLAY19.5 DISPLAY20.5 DISPLAY21.5 R15.1
LEDGROW7: DISPLAY22.5 DISPLAY23.5 DISPLAY24.5 R11.2
LEDGROW8: DISPLAY25.5 DISPLAY26.5 DISPLAY27.5 R23.2
NetD1_2: D1.2 D4.2 S1.1
NetD2_2: D2.2 D5.2 S2.1
NetD3_2: D3.2 D6.2 S3.1
NetD7_2: D7.2 D10.2 S4.1
NetD8_2: D8.2 D11.2 S5.1
NetD9_2: D9.2 D12.2 S6.1
NetD13_2: D13.2 D16.2 S7.1
NetD14_2: D14.2 D17.2 S8.1
NetD15_2: D15.2 D18.2 S9.1
NetD19_2: D19.2 D22.2 S10.1
NetD20_2: D20.2 D23.2 S11.1
NetD21_2: D21.2 D24.2 S12.1
NetD25_2: D25.2 D28.2 S13.1
NetD26_2: D26.2 D29.2 S14.1
NetD27_2: D27.2 D30.2 S15.1
NetD31_2: D31.2 D34.2 S16.1
NetD32_2: D32.2 D35.2 S17.1
NetD33_2: D33.2 D36.2 S18.1
NetD37_2: D37.2 D40.2 S19.1
NetD38_2: D38.2 D41.2 S20.1
NetD39_2: D39.2 D42.2 S21.1
NetD43_2: D43.2 D46.2 S22.1
NetD44_2: D44.2 D47.2 S23.1
NetD45_2: D45.2 D48.2 S24.1
NetD49_2: D49.2 D52.2 S25.1
NetD50_2: D50.2 D53.2 S26.1
NetD51_2: D51.2 D54.2 S27.1
NetD56_2: D56.2 R73.1
NetD57_2: D57.2 R74.1
NetD58_2: D58.2 R75.1
NetD59_2: D59.2 R76.1
NetD60_2: D60.2 R77.1
NetJ2_5: J2.5 R4.2
NetJ2_6: J2.6 R6.2
NetJ2_11: J2.11 R8.2
NetJ2_12: J2.12 R11.1
NetJ2_13: J2.13 R10.2
NetJ2_14: J2.14 R13.1
NetJ2_15: J2.15 R12.2
NetJ2_16: J2.16 R16.1
NetJ2_19: J2.19 R14.2
NetJ2_20: J2.20 R18.1
NetJ2_21: J2.21 R15.2
NetJ2_22: J2.22 R19.1
NetJ2_23: J2.23 R17.2
NetJ2_24: J2.24 R20.1
NetJ2_27: J2.27 R1.1
NetJ2_28: J2.28 R21.1
NetJ2_29: J2.29 R2.1
NetJ2_30: J2.30 R22.1
NetJ2_31: J2.31 R3.1
NetJ2_32: J2.32 R23.1
NetJ2_35: J2.35 R5.1
NetJ2_36: J2.36 R24.1
NetJ2_37: J2.37 R7.1
NetJ2_39: J2.39 R9.1
NetJ3_05: J3.05 R30.2
NetJ3_06: J3.06 R31.1
NetJ3_07: J3.07 R32.2
NetJ3_08: J3.08 R33.1
NetJ3_09: J3.09 R34.2
NetJ3_11: J3.11 R36.2
NetJ3_12: J3.12 R35.1
NetJ3_13: J3.13 R37.2
NetJ3_14: J3.14 R38.1
NetJ3_15: J3.15 R39.2
NetJ3_16: J3.16 R40.1
NetJ3_17: J3.17 R41.2
NetJ3_18: J3.18 R42.1
NetJ3_19: J3.19 R43.2
NetJ3_20: J3.20 R44.1
NetJ3_23: J3.23 R46.2
NetJ3_24: J3.24 R45.1
NetJ3_25: J3.25 R48.2
NetJ3_26: J3.26 R47.1
NetJ3_27: J3.27 R50.2
NetJ3_28: J3.28 R49.1
NetJ3_29: J3.29 R52.2
NetJ3_30: J3.30 R51.1
NetJ3_31: J3.31 R53.2
NetJ3_34: J3.34 R54.1
NetJ3_35: J3.35 R55.2
NetJ3_36: J3.36 R56.1
NetJ3_37: J3.37 R57.2
NetJ3_38: J3.38 R58.1
NetJ3_39: J3.39 R59.2
NetJ3_40: J3.40 R60.1
NetJ3_41: J3.41 R62.2
NetJ3_42: J3.42 R61.1
NetJ3_43: J3.43 R64.2
NetJ3_45: J3.45 R66.2
NetJ3_46: J3.46 R63.1
NetJ3_47: J3.47 R68.2
NetJ3_48: J3.48 R65.1
NetJ3_49: J3.49 R69.2
NetJ3_50: J3.50 R67.1
NetJ3_51: J3.51 R70.2
NetJ3_55: J3.55 R71.2
NetJ3_57: J3.57 R72.2
NetJ3_59: J3.59 R25.1
NetJ3_61: J3.61 R26.1
NetJ3_63: J3.63 R27.1
NetJ3_65: J3.65 R28.1
NetJ3_67: J3.67 R29.1
NetS2_3: S2.3 S3.3 S5.3 S6.3 S8.3 S9.3 S11.3 S12.3 S14.3 S15.3 S17.3 S18.3 S20.3 S21.3 S23.3 S24.3 S26.3 S27.3 S28.3
NEWGAME: J1.31 S29.1
ROWON: D1.1 D7.1 D13.1 D19.1 D25.1 D31.1 D37.1 D43.1 D49.1 J1.23
RSTGAME: J1.35 S31.1
VCC: J1.11 J3.79 J3.80
WRONG: D60.1 J1.32
pads on no net: J1.29 J1.34 J1.36 J1.38 J1.40 J2.1 J2.2 J2.3 J2.4 J2.38 J2.40 J3. J3.01 J3.02 J3.03 J3.04 J3.52 J3.56 J3.58 J3.60 J3.62 J3.64 J3.66 J3.68 J3.69 J3.70 J3.71 J3.72 J3.73 J3.74 J3.75 J3.77 J3.78 S1.2 S1.4 S2.2 S2.4 S3.2 S3.4 S4.2 S4.4 S5.2 S5.4 S6.2 S6.4 S7.2 S7.4 S8.2 S8.4 S9.2 S9.4 S10.2 S10.4 S11.2 S11.4 S12.2 S12.4 S13.2 S13.4 S14.2 S14.4 S15.2 S15.4 S16.2 S16.4 S17.2 S17.4 S18.2 S18.4 S19.2 S19.4 S20.2 S20.4 S21.2 S21.4 S22.2 S22.4 S23.2 S23.4 S24.2 S24.4 S25.2 S25.4 S26.2 S26.4 S27.2 S27.4 S28.2 S28.4 S29.2 S29.4 S30.2 S30.4 S31.2 S31.4 S32.2 S32.4 S33.2 S33.4 U1.9 U2.3 U2.4 U2.5 U2.6 U2.7 U2.9 U2.10 U2.11 U2.12 U2.13 U2.14

## Silkscreen, mask and mechanical layers (free items; w line width, h text height)
Top Overlay:
  circle w0.254: c38.025,26.567 r0.525
  text "Column select" at 41.025,166.067 h7
  text "Power" at 137.525,166.067 h3
  text "Correct" at 140.025,132.067 h3
  text "Wrong" at 140.025,123.067 h3
  text "New game" at 140.025,107.067 h3
  text "Check" at 139.525,94.067 h3
  text "Reset" at 140.025,82.067 h3
  text "Give up" at 140.025,69.567 h3
  text "Row select" at 24.025,58.567 h7 r90
  text "Difficulty" at 132.525,54.567 h3
  text "1" at 139.025,49.067 h3
  text "2" at 148.025,49.067 h3
  text "3" at 158.525,49.067 h3
  text "Toggle" at 140.025,39.067 h3
  text "Digit select" at 47.025,17.567 h7

## Text inside footprints (layer, text, board x,y; h text height)
D1: Bottom Overlay "-" at 24.855,61.261 h1 r270
D2: Bottom Overlay "-" at 33.4,165.228 h1 r180
D3: Bottom Overlay "-" at 30.492,16.562 h1 r180
D4: Bottom Overlay "-" at 24.855,55.347 h1 r270
D5: Bottom Overlay "-" at 39.308,165.228 h1 r180
D6: Bottom Overlay "-" at 36.4,16.562 h1 r180
D7: Bottom Overlay "-" at 24.855,49.434 h1 r270
D8: Bottom Overlay "-" at 45.216,165.228 h1 r180
D9: Bottom Overlay "-" at 42.308,16.562 h1 r180
D10: Bottom Overlay "-" at 24.855,43.52 h1 r270
D11: Bottom Overlay "-" at 51.124,165.228 h1 r180
D12: Bottom Overlay "-" at 48.216,16.562 h1 r180
D13: Bottom Overlay "-" at 24.855,144.052 h1 r270
D14: Bottom Overlay "-" at 57.032,165.228 h1 r180
D15: Bottom Overlay "-" at 54.124,16.562 h1 r180
D16: Bottom Overlay "-" at 24.855,138.139 h1 r270
D17: Bottom Overlay "-" at 62.94,165.228 h1 r180
D18: Bottom Overlay "-" at 60.032,16.562 h1 r180
D19: Bottom Overlay "-" at 24.855,132.225 h1 r270
D20: Bottom Overlay "-" at 68.848,165.228 h1 r180
D21: Bottom Overlay "-" at 65.94,16.562 h1 r180
D22: Bottom Overlay "-" at 24.855,126.311 h1 r270
D23: Bottom Overlay "-" at 74.756,165.228 h1 r180
D24: Bottom Overlay "-" at 71.848,16.562 h1 r180
D25: Bottom Overlay "-" at 24.855,120.398 h1 r270
D26: Bottom Overlay "-" at 80.664,165.228 h1 r180
D27: Bottom Overlay "-" at 77.756,16.562 h1 r180
D28: Bottom Overlay "-" at 24.855,114.484 h1 r270
D29: Bottom Overlay "-" at 86.572,165.228 h1 r180
D30: Bottom Overlay "-" at 83.664,16.562 h1 r180
D31: Bottom Overlay "-" at 24.855,108.57 h1 r270
D32: Bottom Overlay "-" at 92.48,165.228 h1 r180
D33: Bottom Overlay "-" at 89.572,16.562 h1 r180
D34: Bottom Overlay "-" at 24.855,102.657 h1 r270
D35: Bottom Overlay "-" at 98.388,165.228 h1 r180
D36: Bottom Overlay "-" at 95.48,16.562 h1 r180
D37: Bottom Overlay "-" at 24.855,96.743 h1 r270
D38: Bottom Overlay "-" at 104.296,165.228 h1 r180
D39: Bottom Overlay "-" at 101.388,16.562 h1 r180
D40: Bottom Overlay "-" at 24.855,90.829 h1 r270
D41: Bottom Overlay "-" at 110.204,165.228 h1 r180
D42: Bottom Overlay "-" at 107.296,16.562 h1 r180
D43: Bottom Overlay "-" at 24.855,84.916 h1 r270
D44: Bottom Overlay "-" at 116.112,165.228 h1 r180
D45: Bottom Overlay "-" at 113.204,16.562 h1 r180
D46: Bottom Overlay "-" at 24.855,79.002 h1 r270
D47: Bottom Overlay "-" at 122.02,165.228 h1 r180
D48: Bottom Overlay "-" at 119.112,16.562 h1 r180
D49: Bottom Overlay "-" at 24.855,73.088 h1 r270
D50: Bottom Overlay "-" at 127.928,165.228 h1 r180
D51: Bottom Overlay "-" at 125.02,16.562 h1 r180
D52: Bottom Overlay "-" at 24.855,67.175 h1 r270
D53: Bottom Overlay "-" at 133.836,165.228 h1 r180
D54: Bottom Overlay "-" at 130.928,16.562 h1 r180
D55: Bottom Overlay "-" at 136.875,16.562 h1 r180
D56: Top Overlay "+" at 132.895,47.667 h1.52 r90
D57: Top Overlay "+" at 142.125,47.667 h1.52 r90
D58: Top Overlay "+" at 152.355,47.667 h1.52 r90
D59: Top Overlay "+" at 133.125,130.667 h1.52 r90
D60: Top Overlay "+" at 133.125,121.667 h1.52 r90
J1: Bottom Overlay "39" at 11.008,8.288 h1.27 r90; Bottom Overlay "40" at 8.468,8.288 h1.27 r90; Bottom Overlay "2" at 8.468,61.12 h1.27 r90; Bottom Overlay "1" at 11.008,61.12 h1.27 r90
J2: Bottom Overlay "39" at 11.008,67.468 h1.27 r90; Bottom Overlay "40" at 8.468,67.468 h1.27 r90; Bottom Overlay "2" at 8.468,120.3 h1.27 r90; Bottom Overlay "1" at 11.008,120.3 h1.27 r90